# Altium PCB PCB.PcbDoc (part 2 of 11) (continued)
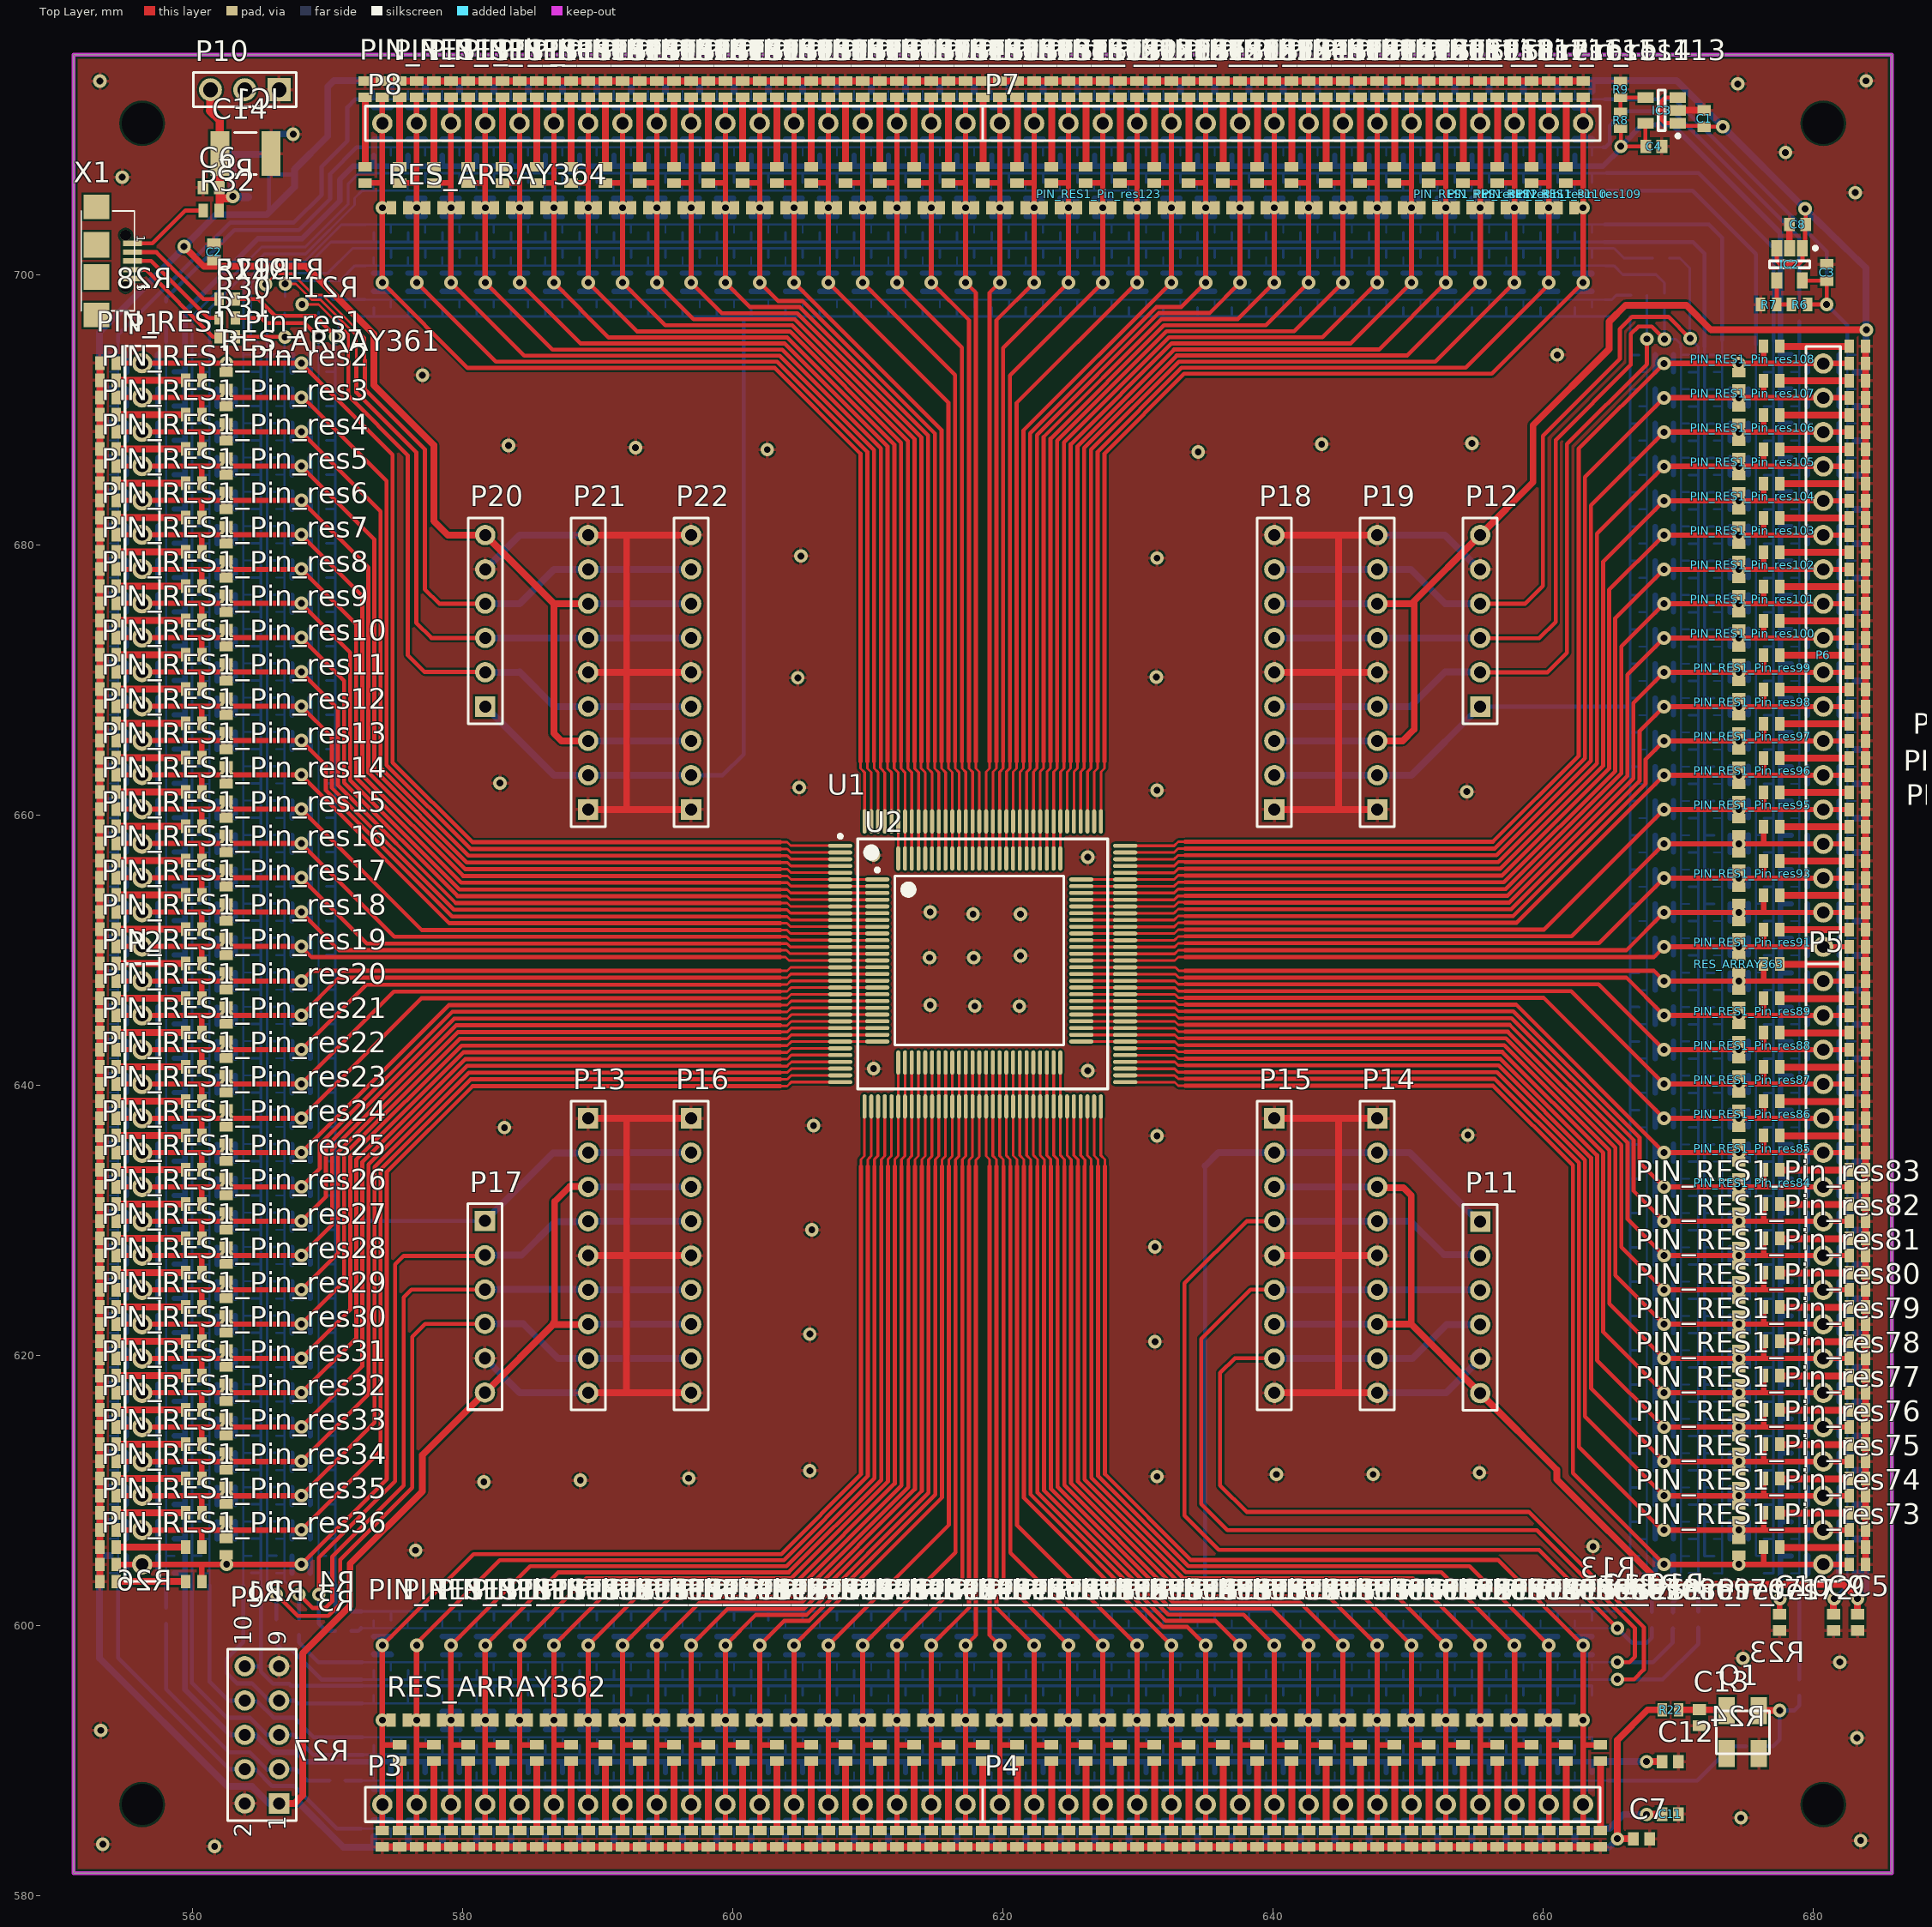
[diagram p0: Top Layer view]
## Nets (pads, with @x,y where several pads share a name; then routed paths per layer and width w, separated by ;. In a path a pad name is that pad's centre, name@x,y a point inside that pad or via, vN(x,y) a via of type N, cw(c..) or ccw(c..) an arc to the next point about the centre after c; other vN are vias at no path point) (continued)
  Top Layer w0.5: PIN_RES1_Pin_res36.1@553.12,603.25 PIN_RES1_Pin_res36.1@553.12,604.52 PIN_RES1_Pin_res35.1@553.12,605.79 PIN_RES1_Pin_res35.1@553.12,607.06 PIN_RES1_Pin_res34.1@553.12,608.33 PIN_RES1_Pin_res34.1@553.12,609.6 PIN_RES1_Pin_res33.1@553.12,610.87 PIN_RES1_Pin_res33.1@553.12,612.14 PIN_RES1_Pin_res32.1@553.12,613.41 PIN_RES1_Pin_res32.1@553.12,614.68 PIN_RES1_Pin_res31.1@553.12,615.95 PIN_RES1_Pin_res31.1@553.12,617.22 PIN_RES1_Pin_res30.1@553.12,618.49 PIN_RES1_Pin_res30.1@553.12,619.76 PIN_RES1_Pin_res29.1@553.12,621.03 PIN_RES1_Pin_res29.1@553.12,622.3 PIN_RES1_Pin_res28.1@553.12,623.57 PIN_RES1_Pin_res28.1@553.12,624.84 PIN_RES1_Pin_res27.1@553.12,626.11 PIN_RES1_Pin_res27.1@553.12,627.38 PIN_RES1_Pin_res26.1@553.12,628.65 PIN_RES1_Pin_res26.1@553.12,629.92 PIN_RES1_Pin_res25.1@553.12,631.19 PIN_RES1_Pin_res25.1@553.12,632.46 PIN_RES1_Pin_res24.1@553.12,633.73 PIN_RES1_Pin_res24.1@553.12,635 PIN_RES1_Pin_res23.1@553.12,636.27 PIN_RES1_Pin_res23.1@553.12,637.54 PIN_RES1_Pin_res22.1@553.12,638.81 PIN_RES1_Pin_res22.1@553.12,640.08 PIN_RES1_Pin_res21.1@553.12,641.35 PIN_RES1_Pin_res21.1@553.12,642.62 PIN_RES1_Pin_res20.1@553.12,643.89 PIN_RES1_Pin_res20.1@553.12,645.16 PIN_RES1_Pin_res19.1@553.12,646.43 PIN_RES1_Pin_res19.1@553.12,647.7 PIN_RES1_Pin_res18.1@553.12,648.995 PIN_RES1_Pin_res18.1@553.12,650.265 PIN_RES1_Pin_res17.1@553.12,651.535 PIN_RES1_Pin_res17.1@553.12,652.805 PIN_RES1_Pin_res16.1@553.12,654.075 PIN_RES1_Pin_res16.1@553.12,655.345 PIN_RES1_Pin_res15.1@553.12,656.615 PIN_RES1_Pin_res15.1@553.12,657.885 PIN_RES1_Pin_res14.1@553.12,659.155 PIN_RES1_Pin_res14.1@553.12,660.425 PIN_RES1_Pin_res13.1@553.12,661.695 PIN_RES1_Pin_res13.1@553.12,662.965 PIN_RES1_Pin_res12.1@553.12,664.235 PIN_RES1_Pin_res12.1@553.12,665.505 PIN_RES1_Pin_res11.1@553.12,666.775 PIN_RES1_Pin_res11.1@553.12,668.045 PIN_RES1_Pin_res10.1@553.12,669.315 PIN_RES1_Pin_res10.1@553.12,670.585 PIN_RES1_Pin_res9.1@553.12,671.855 PIN_RES1_Pin_res9.1@553.12,673.125 PIN_RES1_Pin_res8.1@553.12,674.395 PIN_RES1_Pin_res8.1@553.12,675.665 PIN_RES1_Pin_res7.1@553.12,676.935 PIN_RES1_Pin_res7.1@553.12,678.205 PIN_RES1_Pin_res6.1@553.12,679.475 PIN_RES1_Pin_res6.1@553.12,680.745 PIN_RES1_Pin_res5.1@553.12,682.015 PIN_RES1_Pin_res5.1@553.12,683.285 PIN_RES1_Pin_res4.1@553.12,684.555 PIN_RES1_Pin_res4.1@553.12,685.825 PIN_RES1_Pin_res3.1@553.12,687.095 PIN_RES1_Pin_res3.1@553.12,688.365 PIN_RES1_Pin_res2.1@553.12,689.635 PIN_RES1_Pin_res2.1@553.12,690.905 PIN_RES1_Pin_res1.1@553.12,692.175 PIN_RES1_Pin_res1.1@553.12,693.445 ; P9.2@563.855,586.384 P9.2@564.21,586.384 ; P9.2@563.855,586.791 P9.2@563.855,586.816 ; PIN_RES1_Pin_res144.1@572.77,714.34 PIN_RES1_Pin_res144.1@574.04,714.34 PIN_RES1_Pin_res143.1@575.31,714.34 PIN_RES1_Pin_res143.1@576.58,714.34 PIN_RES1_Pin_res142.1@577.85,714.34 PIN_RES1_Pin_res142.1@579.12,714.34 PIN_RES1_Pin_res141.1@580.39,714.34 PIN_RES1_Pin_res141.1@581.66,714.34 PIN_RES1_Pin_res140.1@582.93,714.34 PIN_RES1_Pin_res140.1@584.2,714.34 PIN_RES1_Pin_res139.1@585.47,714.34 PIN_RES1_Pin_res139.1@586.74,714.34 PIN_RES1_Pin_res138.1@588.01,714.34 PIN_RES1_Pin_res138.1@589.28,714.34 PIN_RES1_Pin_res137.1@590.55,714.34 PIN_RES1_Pin_res137.1@591.82,714.34 PIN_RES1_Pin_res136.1@593.09,714.34 PIN_RES1_Pin_res136.1@594.36,714.34 PIN_RES1_Pin_res135.1@595.63,714.34 PIN_RES1_Pin_res135.1@596.9,714.34 PIN_RES1_Pin_res134.1@598.17,714.34 PIN_RES1_Pin_res134.1@599.44,714.34 PIN_RES1_Pin_res133.1@600.71,714.34 PIN_RES1_Pin_res133.1@601.98,714.34 PIN_RES1_Pin_res132.1@603.25,714.34 PIN_RES1_Pin_res132.1@604.52,714.34 PIN_RES1_Pin_res131.1@605.79,714.34 PIN_RES1_Pin_res131.1@607.06,714.34 PIN_RES1_Pin_res130.1@608.33,714.34 PIN_RES1_Pin_res130.1@609.6,714.34 PIN_RES1_Pin_res129.1@610.87,714.34 PIN_RES1_Pin_res129.1@612.14,714.34 PIN_RES1_Pin_res128.1@613.41,714.34 PIN_RES1_Pin_res128.1@614.68,714.34 PIN_RES1_Pin_res127.1@615.95,714.34 PIN_RES1_Pin_res127.1@617.22,714.34 PIN_RES1_Pin_res126.1@618.49,714.34 PIN_RES1_Pin_res126.1@619.76,714.34 PIN_RES1_Pin_res125.1@621.03,714.34 PIN_RES1_Pin_res125.1@622.3,714.34 PIN_RES1_Pin_res124.1@623.57,714.34 PIN_RES1_Pin_res124.1@624.84,714.34 PIN_RES1_Pin_res123.1@626.11,714.34 PIN_RES1_Pin_res123.1@627.38,714.34 PIN_RES1_Pin_res122.1@628.65,714.34 PIN_RES1_Pin_res122.1@629.92,714.34 PIN_RES1_Pin_res121.1@631.19,714.34 PIN_RES1_Pin_res121.1@632.46,714.34 PIN_RES1_Pin_res120.1@633.73,714.34 PIN_RES1_Pin_res120.1@635,714.34 PIN_RES1_Pin_res119.1@636.27,714.34 PIN_RES1_Pin_res119.1@637.54,714.34 PIN_RES1_Pin_res118.1@638.81,714.34 PIN_RES1_Pin_res118.1@640.08,714.34 PIN_RES1_Pin_res117.1@641.35,714.34 PIN_RES1_Pin_res117.1@642.62,714.34 PIN_RES1_Pin_res116.1@643.89,714.34 PIN_RES1_Pin_res116.1@645.16,714.34 PIN_RES1_Pin_res115.1@646.43,714.34 PIN_RES1_Pin_res115.1@647.7,714.34 PIN_RES1_Pin_res114.1@648.97,714.34 PIN_RES1_Pin_res114.1@650.24,714.34 PIN_RES1_Pin_res113.1@651.51,714.34 PIN_RES1_Pin_res113.1@652.78,714.34 PIN_RES1_Pin_res112.1@654.05,714.34 PIN_RES1_Pin_res112.1@655.32,714.34 PIN_RES1_Pin_res111.1@656.59,714.34 PIN_RES1_Pin_res111.1@657.86,714.34 PIN_RES1_Pin_res110.1@659.13,714.34 PIN_RES1_Pin_res110.1@660.4,714.34 PIN_RES1_Pin_res109.1@661.67,714.34 PIN_RES1_Pin_res109.1@662.94,714.34 ; PIN_RES1_Pin_res37.1@574.04,583.6 PIN_RES1_Pin_res37.1@575.31,583.6 PIN_RES1_Pin_res38.1@576.58,583.6 PIN_RES1_Pin_res38.1@577.85,583.6 PIN_RES1_Pin_res39.1@579.12,583.6 PIN_RES1_Pin_res39.1@580.39,583.6 PIN_RES1_Pin_res40.1@581.66,583.6 PIN_RES1_Pin_res40.1@582.93,583.6 PIN_RES1_Pin_res41.1@584.2,583.6 PIN_RES1_Pin_res41.1@585.47,583.6 PIN_RES1_Pin_res42.1@586.74,583.6 PIN_RES1_Pin_res42.1@588.01,583.6 PIN_RES1_Pin_res43.1@589.28,583.6 PIN_RES1_Pin_res43.1@590.55,583.6 PIN_RES1_Pin_res44.1@591.82,583.6 PIN_RES1_Pin_res44.1@593.09,583.6 PIN_RES1_Pin_res45.1@594.36,583.6 PIN_RES1_Pin_res45.1@595.63,583.6 PIN_RES1_Pin_res46.1@596.9,583.6 PIN_RES1_Pin_res46.1@598.17,583.6 PIN_RES1_Pin_res47.1@599.44,583.6 PIN_RES1_Pin_res47.1@600.71,583.6 PIN_RES1_Pin_res48.1@601.98,583.6 PIN_RES1_Pin_res48.1@603.25,583.6 PIN_RES1_Pin_res49.1@604.52,583.6 PIN_RES1_Pin_res49.1@605.79,583.6 PIN_RES1_Pin_res50.1@607.06,583.6 PIN_RES1_Pin_res50.1@608.33,583.6 PIN_RES1_Pin_res51.1@609.6,583.6 PIN_RES1_Pin_res51.1@610.87,583.6 PIN_RES1_Pin_res52.1@612.14,583.6 PIN_RES1_Pin_res52.1@613.41,583.6 PIN_RES1_Pin_res53.1@614.68,583.6 PIN_RES1_Pin_res53.1@615.95,583.6 PIN_RES1_Pin_res54.1@617.22,583.6 PIN_RES1_Pin_res54.1@618.49,583.6 PIN_RES1_Pin_res55.1@619.76,583.6 PIN_RES1_Pin_res55.1@621.03,583.6 PIN_RES1_Pin_res56.1@622.3,583.6 PIN_RES1_Pin_res56.1@623.57,583.6 PIN_RES1_Pin_res57.1@624.84,583.6 PIN_RES1_Pin_res57.1@626.11,583.6 PIN_RES1_Pin_res58.1@627.38,583.6 PIN_RES1_Pin_res58.1@628.65,583.6 PIN_RES1_Pin_res59.1@629.92,583.6 PIN_RES1_Pin_res59.1@631.19,583.6 PIN_RES1_Pin_res60.1@632.46,583.6 PIN_RES1_Pin_res60.1@633.73,583.6 PIN_RES1_Pin_res61.1@635,583.6 PIN_RES1_Pin_res61.1@636.27,583.6 PIN_RES1_Pin_res62.1@637.54,583.6 PIN_RES1_Pin_res62.1@638.81,583.6 PIN_RES1_Pin_res63.1@640.08,583.6 PIN_RES1_Pin_res63.1@641.35,583.6 PIN_RES1_Pin_res64.1@642.62,583.6 PIN_RES1_Pin_res64.1@643.89,583.6 PIN_RES1_Pin_res65.1@645.16,583.6 PIN_RES1_Pin_res65.1@646.43,583.6 PIN_RES1_Pin_res66.1@647.7,583.6 PIN_RES1_Pin_res66.1@648.97,583.6 PIN_RES1_Pin_res67.1@650.24,583.6 PIN_RES1_Pin_res67.1@651.51,583.6 PIN_RES1_Pin_res68.1@652.78,583.6 PIN_RES1_Pin_res68.1@654.05,583.6 PIN_RES1_Pin_res69.1@655.32,583.6 PIN_RES1_Pin_res69.1@656.59,583.6 PIN_RES1_Pin_res70.1@657.86,583.6 PIN_RES1_Pin_res70.1@659.13,583.6 PIN_RES1_Pin_res71.1@660.4,583.6 PIN_RES1_Pin_res71.1@661.67,583.6 PIN_RES1_Pin_res72.1@662.94,583.6 PIN_RES1_Pin_res72.1@664.21,583.6 ; P13.9@589.255,617.195 P13.9@589.28,617.22 P16.9@596.9,617.22 ; P13.5@589.28,627.38 592.049,627.38 ; P13.1@589.28,637.54 592.125,637.54 ; P21.1@589.28,660.4 592.125,660.4 ; P21.5@589.28,670.56 592.125,670.56 ; P21.9@589.28,680.72 592.049,680.72 ; 592.099,617.271 592.099,627.482 ; P16.5@596.9,627.38 592.201,627.38 592.125,627.456 592.125,637.54 ; P16.1@596.9,637.54 592.125,637.54 ; P22.1@596.9,660.4 592.125,660.4 ; P22.5@596.9,670.56 592.125,670.56 ; P22.9@596.9,680.72 592.049,680.72 ; P15.9@640.08,617.22 644.83,617.22 ; P15.5@640.08,627.38 644.83,627.38 ; P15.1@640.08,637.54 644.881,637.54 ; P18.1@640.08,660.4 644.83,660.4 ; P18.5@640.08,670.56 644.83,670.56 ; P18.9@640.08,680.72 644.83,680.72 ; P14.9@647.7,617.22 644.83,617.22 ; P14.5@647.7,627.38 644.83,627.38 ; P14.1@647.7,637.54 644.881,637.54 ; P19.1@647.7,660.4 644.83,660.4 ; P19.5@647.7,670.56 644.83,670.56 ; P19.9@647.7,680.72 644.83,680.72 ; IC3.2@669.957,712.165 671.617,712.165 C1.2@671.627,712.156 ; C8.2@678.215,703.707 678.215,701.976 IC2.2@678.231,701.961 ; PIN_RES1_Pin_res73.1@683.86,604.52 PIN_RES1_Pin_res73.1@683.86,605.79 PIN_RES1_Pin_res74.1@683.86,607.06 PIN_RES1_Pin_res74.1@683.86,608.33 PIN_RES1_Pin_res75.1@683.86,609.6 PIN_RES1_Pin_res75.1@683.86,610.87 PIN_RES1_Pin_res76.1@683.86,612.14 PIN_RES1_Pin_res76.1@683.86,613.41 PIN_RES1_Pin_res77.1@683.86,614.68 PIN_RES1_Pin_res77.1@683.86,615.95 PIN_RES1_Pin_res78.1@683.86,617.22 PIN_RES1_Pin_res78.1@683.86,618.49 PIN_RES1_Pin_res79.1@683.86,619.76 PIN_RES1_Pin_res79.1@683.86,621.03 PIN_RES1_Pin_res80.1@683.86,622.3 PIN_RES1_Pin_res80.1@683.86,623.57 PIN_RES1_Pin_res81.1@683.86,624.84 PIN_RES1_Pin_res81.1@683.86,626.11 PIN_RES1_Pin_res82.1@683.86,627.38 PIN_RES1_Pin_res82.1@683.86,628.65 PIN_RES1_Pin_res83.1@683.86,629.92 PIN_RES1_Pin_res83.1@683.86,631.19 PIN_RES1_Pin_res84.1@683.86,632.46 PIN_RES1_Pin_res84.1@683.86,633.73 PIN_RES1_Pin_res85.1@683.86,635 PIN_RES1_Pin_res85.1@683.86,636.27 PIN_RES1_Pin_res86.1@683.86,637.54 PIN_RES1_Pin_res86.1@683.86,638.81 PIN_RES1_Pin_res87.1@683.86,640.08 PIN_RES1_Pin_res87.1@683.86,641.35 PIN_RES1_Pin_res88.1@683.86,642.62 PIN_RES1_Pin_res88.1@683.86,643.89 PIN_RES1_Pin_res89.1@683.86,645.16 PIN_RES1_Pin_res89.1@683.86,646.43 PIN_RES1_Pin_res90.1@683.86,647.7 PIN_RES1_Pin_res90.1@683.86,648.97 PIN_RES1_Pin_res91.1@683.86,650.24 PIN_RES1_Pin_res91.1@683.86,651.51 PIN_RES1_Pin_res92.1@683.86,652.78 PIN_RES1_Pin_res92.1@683.86,654.05 PIN_RES1_Pin_res93.1@683.86,655.32 PIN_RES1_Pin_res93.1@683.86,656.59 PIN_RES1_Pin_res94.1@683.86,657.86 PIN_RES1_Pin_res94.1@683.86,659.13 PIN_RES1_Pin_res95.1@683.86,660.4 PIN_RES1_Pin_res95.1@683.86,661.67 PIN_RES1_Pin_res96.1@683.86,662.94 PIN_RES1_Pin_res96.1@683.86,664.21 PIN_RES1_Pin_res97.1@683.86,665.48 PIN_RES1_Pin_res97.1@683.86,666.75 PIN_RES1_Pin_res98.1@683.86,668.02 PIN_RES1_Pin_res98.1@683.86,669.29 PIN_RES1_Pin_res99.1@683.86,670.56 PIN_RES1_Pin_res99.1@683.86,671.83 PIN_RES1_Pin_res100.1@683.86,673.1 PIN_RES1_Pin_res100.1@683.86,674.37 PIN_RES1_Pin_res101.1@683.86,675.64 PIN_RES1_Pin_res101.1@683.86,676.91 PIN_RES1_Pin_res102.1@683.86,678.18 PIN_RES1_Pin_res102.1@683.86,679.45 PIN_RES1_Pin_res103.1@683.86,680.72 PIN_RES1_Pin_res103.1@683.86,681.99 PIN_RES1_Pin_res104.1@683.86,683.26 PIN_RES1_Pin_res104.1@683.86,684.53 PIN_RES1_Pin_res105.1@683.86,685.8 PIN_RES1_Pin_res105.1@683.86,687.07 PIN_RES1_Pin_res106.1@683.86,688.34 PIN_RES1_Pin_res106.1@683.86,689.61 PIN_RES1_Pin_res107.1@683.86,690.88 PIN_RES1_Pin_res107.1@683.86,692.15 PIN_RES1_Pin_res108.1@683.86,693.42 PIN_RES1_Pin_res108.1@683.86,694.69 ; 592.049,680.72 592.125,680.644 592.125,670.56 ; 592.125,660.4 592.125,670.56 ; 644.83,617.22 644.83,627.38 ; 644.83,627.38 644.83,637.489 644.881,637.54 ; 644.83,660.4 644.83,670.56 ; 644.83,670.56 644.83,680.72
  Bottom Layer w0.5: IC1.1@565.655,710.414 567.409,710.414 v1(567.436,710.387) ; P17.5@581.635,619.785 584.2,617.22 P13.9@589.28,617.22 ; P20.5@581.66,678.18 584.2,680.72 P21.9@589.28,680.72 ; P14.9@647.7,617.22 652.805,617.22 P11.5@655.32,619.735 ; P19.9@647.7,680.72 652.704,680.72 655.244,678.18 P12.5@655.32,678.18
  other v1: 553.339,583.794 683.489,584.073 553.136,714.324 683.895,714.35
  other v2: 561.619,583.641 674.624,585.749 683.209,591.668 553.187,592.226 681.939,597.281 674.776,597.56 576.504,605.561 663.677,605.841 581.558,610.616 588.696,610.743 596.722,610.895 631.393,611.022 640.232,611.175 647.395,611.175 655.269,611.302 605.688,611.454 631.241,621.005 605.688,621.563 631.241,628.015 605.841,629.285 631.393,636.245 654.406,636.295 583.082,636.854 605.968,637.007 626.262,641.071 610.413,641.223 617.906,645.846 621.208,645.846 614.604,645.922 614.553,649.427 617.83,649.427 621.284,649.58 617.779,652.653 621.284,652.653 614.604,652.805 626.262,656.869 610.413,657.022 654.329,661.721 631.393,661.822 604.901,662.026 582.752,662.356 604.799,670.154 631.342,670.204 631.393,679.018 605.028,679.171 634.441,686.867 602.539,687.045 592.785,687.197 583.387,687.349 643.585,687.451 654.71,687.502 577.012,692.556 661.035,694.055 683.082,706.069 554.787,707.212 677.926,709.041 674.395,714.121
ID: R31.2 X1.4 | length 8.5
  Top Layer w0.3: X1.4@555.532,700.365 556.529,700.365 561.492,695.401 R31.2@561.959,695.401
IO1: PIN_RES1_Pin_res1.5 PIN_RES1_Pin_res2.5 PIN_RES1_Pin_res3.5 PIN_RES1_Pin_res4.5 PIN_RES1_Pin_res5.5 PIN_RES1_Pin_res6.5 PIN_RES1_Pin_res7.5 PIN_RES1_Pin_res8.5 PIN_RES1_Pin_res9.5 PIN_RES1_Pin_res10.5 PIN_RES1_Pin_res11.5 PIN_RES1_Pin_res12.5 PIN_RES1_Pin_res13.5 PIN_RES1_Pin_res14.5 PIN_RES1_Pin_res15.5 PIN_RES1_Pin_res16.5 PIN_RES1_Pin_res17.5 PIN_RES1_Pin_res18.5 PIN_RES1_Pin_res19.5 PIN_RES1_Pin_res20.5 PIN_RES1_Pin_res21.5 PIN_RES1_Pin_res22.5 PIN_RES1_Pin_res23.5 PIN_RES1_Pin_res24.5 PIN_RES1_Pin_res25.5 PIN_RES1_Pin_res26.5 PIN_RES1_Pin_res27.5 PIN_RES1_Pin_res28.5 PIN_RES1_Pin_res29.5 PIN_RES1_Pin_res30.5 PIN_RES1_Pin_res31.5 PIN_RES1_Pin_res32.5 PIN_RES1_Pin_res33.5 PIN_RES1_Pin_res34.5 PIN_RES1_Pin_res35.5 PIN_RES1_Pin_res36.5 R26.1 R28.1 | length 116.9
  Bottom Layer w0.15: 558.038,603.047 558.038,605.155 ; 558.038,695.02 558.038,694.08 ; PIN_RES1_Pin_res36.5@558.638,605.155 558.038,605.155 ; PIN_RES1_Pin_res35.5@558.638,607.695 558.038,607.695 ; PIN_RES1_Pin_res34.5@558.638,610.235 558.038,610.235 ; PIN_RES1_Pin_res33.5@558.638,612.775 558.038,612.775 ; PIN_RES1_Pin_res32.5@558.638,615.315 558.038,615.315 ; PIN_RES1_Pin_res31.5@558.638,617.855 558.038,617.855 ; PIN_RES1_Pin_res30.5@558.638,620.395 558.038,620.395 ; PIN_RES1_Pin_res29.5@558.638,622.935 558.038,622.935 ; PIN_RES1_Pin_res28.5@558.638,625.475 558.038,625.475 ; PIN_RES1_Pin_res27.5@558.638,628.015 558.038,628.015 ; PIN_RES1_Pin_res26.5@558.638,630.555 558.038,630.555 ; PIN_RES1_Pin_res25.5@558.638,633.095 558.038,633.095 ; PIN_RES1_Pin_res24.5@558.638,635.635 558.038,635.635 ; PIN_RES1_Pin_res23.5@558.638,638.175 558.038,638.175 ; PIN_RES1_Pin_res22.5@558.638,640.715 558.038,640.715 ; PIN_RES1_Pin_res21.5@558.638,643.255 558.038,643.255 ; PIN_RES1_Pin_res20.5@558.638,645.795 558.038,645.795 ; PIN_RES1_Pin_res19.5@558.638,648.335 558.038,648.335 ; PIN_RES1_Pin_res18.5@558.638,650.9 558.038,650.9 ; PIN_RES1_Pin_res17.5@558.638,653.44 558.038,653.44 ; PIN_RES1_Pin_res16.5@558.638,655.98 558.038,655.98 ; PIN_RES1_Pin_res15.5@558.638,658.52 558.038,658.52 ; PIN_RES1_Pin_res14.5@558.638,661.06 558.038,661.06 ; PIN_RES1_Pin_res13.5@558.638,663.6 558.038,663.6 ; PIN_RES1_Pin_res12.5@558.638,666.14 558.038,666.14 ; PIN_RES1_Pin_res11.5@558.638,668.68 558.038,668.68 ; PIN_RES1_Pin_res10.5@558.638,671.22 558.038,671.22 ; PIN_RES1_Pin_res9.5@558.638,673.76 558.038,673.76 ; PIN_RES1_Pin_res8.5@558.638,676.3 558.038,676.3 ; PIN_RES1_Pin_res7.5@558.638,678.84 558.038,678.84 ; PIN_RES1_Pin_res6.5@558.638,681.38 558.038,681.38 ; PIN_RES1_Pin_res5.5@558.638,683.92 558.038,683.92 ; PIN_RES1_Pin_res4.5@558.638,686.46 558.038,686.46 ; PIN_RES1_Pin_res3.5@558.638,689 558.038,689 ; PIN_RES1_Pin_res2.5@558.638,691.54 558.038,691.54 ; PIN_RES1_Pin_res1.5@558.638,694.08 558.038,694.08 ; 558.038,605.155 558.038,607.695 ; 558.038,607.695 558.038,610.235 ; 558.038,610.235 558.038,612.775 ; 558.038,612.775 558.038,615.315 ; 558.038,615.315 558.038,617.855 ; 558.038,617.855 558.038,620.395 ; 558.038,620.395 558.038,622.935 ; 558.038,622.935 558.038,625.475 ; 558.038,625.475 558.038,628.015 ; 558.038,628.015 558.038,630.555 ; 558.038,630.555 558.038,633.095 ; 558.038,633.095 558.038,635.635 ; 558.038,635.635 558.038,638.175 ; 558.038,638.175 558.038,640.715 ; 558.038,640.715 558.038,643.255 ; 558.038,643.255 558.038,645.795 ; 558.038,645.795 558.038,648.335 ; 558.038,648.335 558.038,650.9 ; 558.038,650.9 558.038,653.44 ; 558.038,653.44 558.038,655.98 ; 558.038,655.98 558.038,658.52 ; 558.038,658.52 558.038,661.06 ; 558.038,661.06 558.038,663.6 ; 558.038,663.6 558.038,666.14 ; 558.038,666.14 558.038,668.68 ; 558.038,668.68 558.038,671.22 ; 558.038,671.22 558.038,673.76 ; 558.038,673.76 558.038,676.3 ; 558.038,676.3 558.038,678.84 ; 558.038,678.84 558.038,681.38 ; 558.038,681.38 558.038,683.92 ; 558.038,683.92 558.038,686.46 ; 558.038,686.46 558.038,689 ; 558.038,689 558.038,691.54 ; 558.038,691.54 558.038,694.08
  Bottom Layer w0.3: R26.1@558.038,601.31 558.038,603.047 ; 558.038,695.02 R28.1@558.038,696.57
IO1_1: PIN_RES1_Pin_res37.5 PIN_RES1_Pin_res38.5 PIN_RES1_Pin_res39.5 PIN_RES1_Pin_res40.5 PIN_RES1_Pin_res41.5 PIN_RES1_Pin_res42.5 PIN_RES1_Pin_res43.5 PIN_RES1_Pin_res44.5 PIN_RES1_Pin_res45.5 PIN_RES1_Pin_res46.5 PIN_RES1_Pin_res47.5 PIN_RES1_Pin_res48.5 PIN_RES1_Pin_res49.5 PIN_RES1_Pin_res50.5 PIN_RES1_Pin_res51.5 PIN_RES1_Pin_res52.5 PIN_RES1_Pin_res53.5 PIN_RES1_Pin_res54.5 PIN_RES1_Pin_res55.5 PIN_RES1_Pin_res56.5 PIN_RES1_Pin_res57.5 PIN_RES1_Pin_res58.5 PIN_RES1_Pin_res59.5 PIN_RES1_Pin_res60.5 PIN_RES1_Pin_res61.5 PIN_RES1_Pin_res62.5 PIN_RES1_Pin_res63.5 PIN_RES1_Pin_res64.5 PIN_RES1_Pin_res65.5 PIN_RES1_Pin_res66.5 PIN_RES1_Pin_res67.5 PIN_RES1_Pin_res68.5 PIN_RES1_Pin_res69.5 PIN_RES1_Pin_res70.5 PIN_RES1_Pin_res71.5 PIN_RES1_Pin_res72.5 R24.2 R27.2 | length 126.3
  Bottom Layer w0.15: 572.491,588.518 573.405,588.518 ; PIN_RES1_Pin_res37.5@573.405,589.118 573.405,588.518 ; PIN_RES1_Pin_res38.5@575.945,589.118 575.945,588.518 ; PIN_RES1_Pin_res39.5@578.485,589.118 578.485,588.518 ; PIN_RES1_Pin_res40.5@581.025,589.118 581.025,588.518 ; PIN_RES1_Pin_res41.5@583.565,589.118 583.565,588.518 ; PIN_RES1_Pin_res42.5@586.105,589.118 586.105,588.518 ; PIN_RES1_Pin_res43.5@588.645,589.118 588.645,588.518 ; PIN_RES1_Pin_res44.5@591.185,589.118 591.185,588.518 ; PIN_RES1_Pin_res45.5@593.725,589.118 593.725,588.518 ; PIN_RES1_Pin_res46.5@596.265,589.118 596.265,588.518 ; PIN_RES1_Pin_res47.5@598.805,589.118 598.805,588.518 ; PIN_RES1_Pin_res48.5@601.345,589.118 601.345,588.518 ; PIN_RES1_Pin_res49.5@603.885,589.118 603.885,588.518 ; PIN_RES1_Pin_res50.5@606.425,589.118 606.425,588.518 ; PIN_RES1_Pin_res51.5@608.965,589.118 608.965,588.518 ; PIN_RES1_Pin_res52.5@611.505,589.118 611.505,588.518 ; PIN_RES1_Pin_res53.5@614.045,589.118 614.045,588.518 ; PIN_RES1_Pin_res54.5@616.585,589.118 616.585,588.518 ; PIN_RES1_Pin_res55.5@619.15,589.118 619.15,588.518 ; PIN_RES1_Pin_res56.5@621.69,589.118 621.69,588.518 ; PIN_RES1_Pin_res57.5@624.23,589.118 624.23,588.518 ; PIN_RES1_Pin_res58.5@626.77,589.118 626.77,588.518 ; PIN_RES1_Pin_res59.5@629.31,589.118 629.31,588.518 ; PIN_RES1_Pin_res60.5@631.85,589.118 631.85,588.518 ; PIN_RES1_Pin_res61.5@634.39,589.118 634.39,588.518 ; PIN_RES1_Pin_res62.5@636.93,589.118 636.93,588.518 ; PIN_RES1_Pin_res63.5@639.47,589.118 639.47,588.518 ; PIN_RES1_Pin_res64.5@642.01,589.118 642.01,588.518 ; PIN_RES1_Pin_res65.5@644.55,589.118 644.55,588.518 ; PIN_RES1_Pin_res66.5@647.09,589.118 647.09,588.518 ; PIN_RES1_Pin_res67.5@649.63,589.118 649.63,588.518 ; PIN_RES1_Pin_res68.5@652.17,589.118 652.17,588.518 ; PIN_RES1_Pin_res69.5@654.71,589.118 654.71,588.518 ; PIN_RES1_Pin_res70.5@657.25,589.118 657.25,588.518 ; PIN_RES1_Pin_res71.5@659.79,589.118 659.79,588.518 ; PIN_RES1_Pin_res72.5@662.33,589.118 662.33,588.518 ; 664.82,588.518 662.33,588.518 ; 573.405,588.518 575.945,588.518 ; 575.945,588.518 578.485,588.518 ; 578.485,588.518 581.025,588.518 ; 581.025,588.518 583.565,588.518 ; 583.565,588.518 586.105,588.518 ; 586.105,588.518 588.645,588.518 ; 588.645,588.518 591.185,588.518 ; 591.185,588.518 593.725,588.518 ; 593.725,588.518 596.265,588.518 ; 596.265,588.518 598.805,588.518 ; 598.805,588.518 601.345,588.518 ; 601.345,588.518 603.885,588.518 ; 603.885,588.518 606.425,588.518 ; 606.425,588.518 608.965,588.518 ; 608.965,588.518 611.505,588.518 ; 611.505,588.518 614.045,588.518 ; 614.045,588.518 616.585,588.518 ; 616.585,588.518 619.15,588.518 ; 619.15,588.518 621.69,588.518 ; 621.69,588.518 624.23,588.518 ; 624.23,588.518 626.77,588.518 ; 626.77,588.518 629.31,588.518 ; 629.31,588.518 631.85,588.518 ; 631.85,588.518 634.39,588.518 ; 634.39,588.518 636.93,588.518 ; 636.93,588.518 639.47,588.518 ; 639.47,588.518 642.01,588.518 ; 642.01,588.518 644.55,588.518 ; 644.55,588.518 647.09,588.518 ; 647.09,588.518 649.63,588.518 ; 649.63,588.518 652.17,588.518 ; 652.17,588.518 654.71,588.518 ; 654.71,588.518 657.25,588.518 ; 657.25,588.518 659.79,588.518 ; 659.79,588.518 662.33,588.518
  Bottom Layer w0.3: R27.2@571.313,588.518 572.491,588.518 ; 664.82,588.518 671.398,588.518 673.938,591.058 R24.2@674.989,591.058
IO1_2: PIN_RES1_Pin_res73.5 PIN_RES1_Pin_res74.5 PIN_RES1_Pin_res75.5 PIN_RES1_Pin_res76.5 PIN_RES1_Pin_res77.5 PIN_RES1_Pin_res78.5 PIN_RES1_Pin_res79.5 PIN_RES1_Pin_res80.5 PIN_RES1_Pin_res81.5 PIN_RES1_Pin_res82.5 PIN_RES1_Pin_res83.5 PIN_RES1_Pin_res84.5 PIN_RES1_Pin_res85.5 PIN_RES1_Pin_res86.5 PIN_RES1_Pin_res87.5 PIN_RES1_Pin_res88.5 PIN_RES1_Pin_res89.5 PIN_RES1_Pin_res90.5 PIN_RES1_Pin_res91.5 PIN_RES1_Pin_res92.5 PIN_RES1_Pin_res93.5 PIN_RES1_Pin_res94.5 PIN_RES1_Pin_res95.5 PIN_RES1_Pin_res96.5 PIN_RES1_Pin_res97.5 PIN_RES1_Pin_res98.5 PIN_RES1_Pin_res99.5 PIN_RES1_Pin_res100.5 PIN_RES1_Pin_res101.5 PIN_RES1_Pin_res102.5 PIN_RES1_Pin_res103.5 PIN_RES1_Pin_res104.5 PIN_RES1_Pin_res105.5 PIN_RES1_Pin_res106.5 PIN_RES1_Pin_res107.5 PIN_RES1_Pin_res108.5 R23.2 R25.1 | length 122.1
  Bottom Layer w0.15: PIN_RES1_Pin_res73.5@678.342,603.86 678.942,603.86 ; PIN_RES1_Pin_res74.5@678.342,606.4 678.942,606.4 ; PIN_RES1_Pin_res75.5@678.342,608.94 678.942,608.94 ; PIN_RES1_Pin_res76.5@678.342,611.48 678.942,611.48 ; PIN_RES1_Pin_res77.5@678.342,614.02 678.942,614.02 ; PIN_RES1_Pin_res78.5@678.342,616.56 678.942,616.56 ; PIN_RES1_Pin_res79.5@678.342,619.1 678.942,619.1 ; PIN_RES1_Pin_res80.5@678.342,621.64 678.942,621.64 ; PIN_RES1_Pin_res81.5@678.342,624.18 678.942,624.18 ; PIN_RES1_Pin_res82.5@678.342,626.72 678.942,626.72 ; PIN_RES1_Pin_res83.5@678.342,629.26 678.942,629.26 ; PIN_RES1_Pin_res84.5@678.342,631.8 678.942,631.8 ; PIN_RES1_Pin_res85.5@678.342,634.34 678.942,634.34 ; PIN_RES1_Pin_res86.5@678.342,636.88 678.942,636.88 ; PIN_RES1_Pin_res87.5@678.342,639.42 678.942,639.42 ; PIN_RES1_Pin_res88.5@678.342,641.96 678.942,641.96 ; PIN_RES1_Pin_res89.5@678.342,644.5 678.942,644.5 ; PIN_RES1_Pin_res90.5@678.342,647.04 678.942,647.04 ; PIN_RES1_Pin_res91.5@678.342,649.605 678.942,649.605 ; PIN_RES1_Pin_res92.5@678.342,652.145 678.942,652.145 ; PIN_RES1_Pin_res93.5@678.342,654.685 678.942,654.685 ; PIN_RES1_Pin_res94.5@678.342,657.225 678.942,657.225 ; PIN_RES1_Pin_res95.5@678.342,659.765 678.942,659.765 ; PIN_RES1_Pin_res96.5@678.342,662.305 678.942,662.305 ; PIN_RES1_Pin_res97.5@678.342,664.845 678.942,664.845 ; PIN_RES1_Pin_res98.5@678.342,667.385 678.942,667.385 ; PIN_RES1_Pin_res99.5@678.342,669.925 678.942,669.925 ; PIN_RES1_Pin_res100.5@678.342,672.465 678.942,672.465 ; PIN_RES1_Pin_res101.5@678.342,675.005 678.942,675.005 ; PIN_RES1_Pin_res102.5@678.342,677.545 678.942,677.545 ; PIN_RES1_Pin_res103.5@678.342,680.085 678.942,680.085 ; PIN_RES1_Pin_res104.5@678.342,682.625 678.942,682.625 ; PIN_RES1_Pin_res105.5@678.342,685.165 678.942,685.165 ; PIN_RES1_Pin_res106.5@678.342,687.705 678.942,687.705 ; PIN_RES1_Pin_res107.5@678.342,690.245 678.942,690.245 ; PIN_RES1_Pin_res108.5@678.342,692.785 678.942,692.785 ; 678.942,602.513 678.942,603.86 ; 678.942,694.893 678.942,692.785 ; 678.942,603.86 678.942,606.4 ; 678.942,606.4 678.942,608.94 ; 678.942,608.94 678.942,611.48 ; 678.942,611.48 678.942,614.02 ; 678.942,614.02 678.942,616.56 ; 678.942,616.56 678.942,619.1 ; 678.942,619.1 678.942,621.64 ; 678.942,621.64 678.942,624.18 ; 678.942,624.18 678.942,626.72 ; 678.942,626.72 678.942,629.26 ; 678.942,629.26 678.942,631.8 ; 678.942,631.8 678.942,634.34 ; 678.942,634.34 678.942,636.88 ; 678.942,636.88 678.942,639.42 ; 678.942,639.42 678.942,641.96 ; 678.942,641.96 678.942,644.5 ; 678.942,644.5 678.942,647.04 ; 678.942,647.04 678.942,649.605 ; 678.942,649.605 678.942,652.145 ; 678.942,652.145 678.942,654.685 ; 678.942,654.685 678.942,657.225 ; 678.942,657.225 678.942,659.765 ; 678.942,659.765 678.942,662.305 ; 678.942,662.305 678.942,664.845 ; 678.942,664.845 678.942,667.385 ; 678.942,667.385 678.942,669.925 ; 678.942,669.925 678.942,672.465 ; 678.942,672.465 678.942,675.005 ; 678.942,675.005 678.942,677.545 ; 678.942,677.545 678.942,680.085 ; 678.942,680.085 678.942,682.625 ; 678.942,682.625 678.942,685.165 ; 678.942,685.165 678.942,687.705 ; 678.942,687.705 678.942,690.245 ; 678.942,690.245 678.942,692.785
  Bottom Layer w0.3: R23.2@678.942,596.001 678.942,602.513 ; 678.942,694.893 R25.1@678.942,696.528